# Altium PCB Board.PcbDoc (part 4 of 15)
Units mil, origin at the board's own origin, x right, y up, seen from the top; angles counter-clockwise.
Board outline 6379.64 x 4143.89 mil, 4 copper layers (Top Layer, GND, VCC, Bottom Layer); 316 components, 199 nets, 1077 pads, 596 vias.
Unrouted connection lines stored in the file: 268.
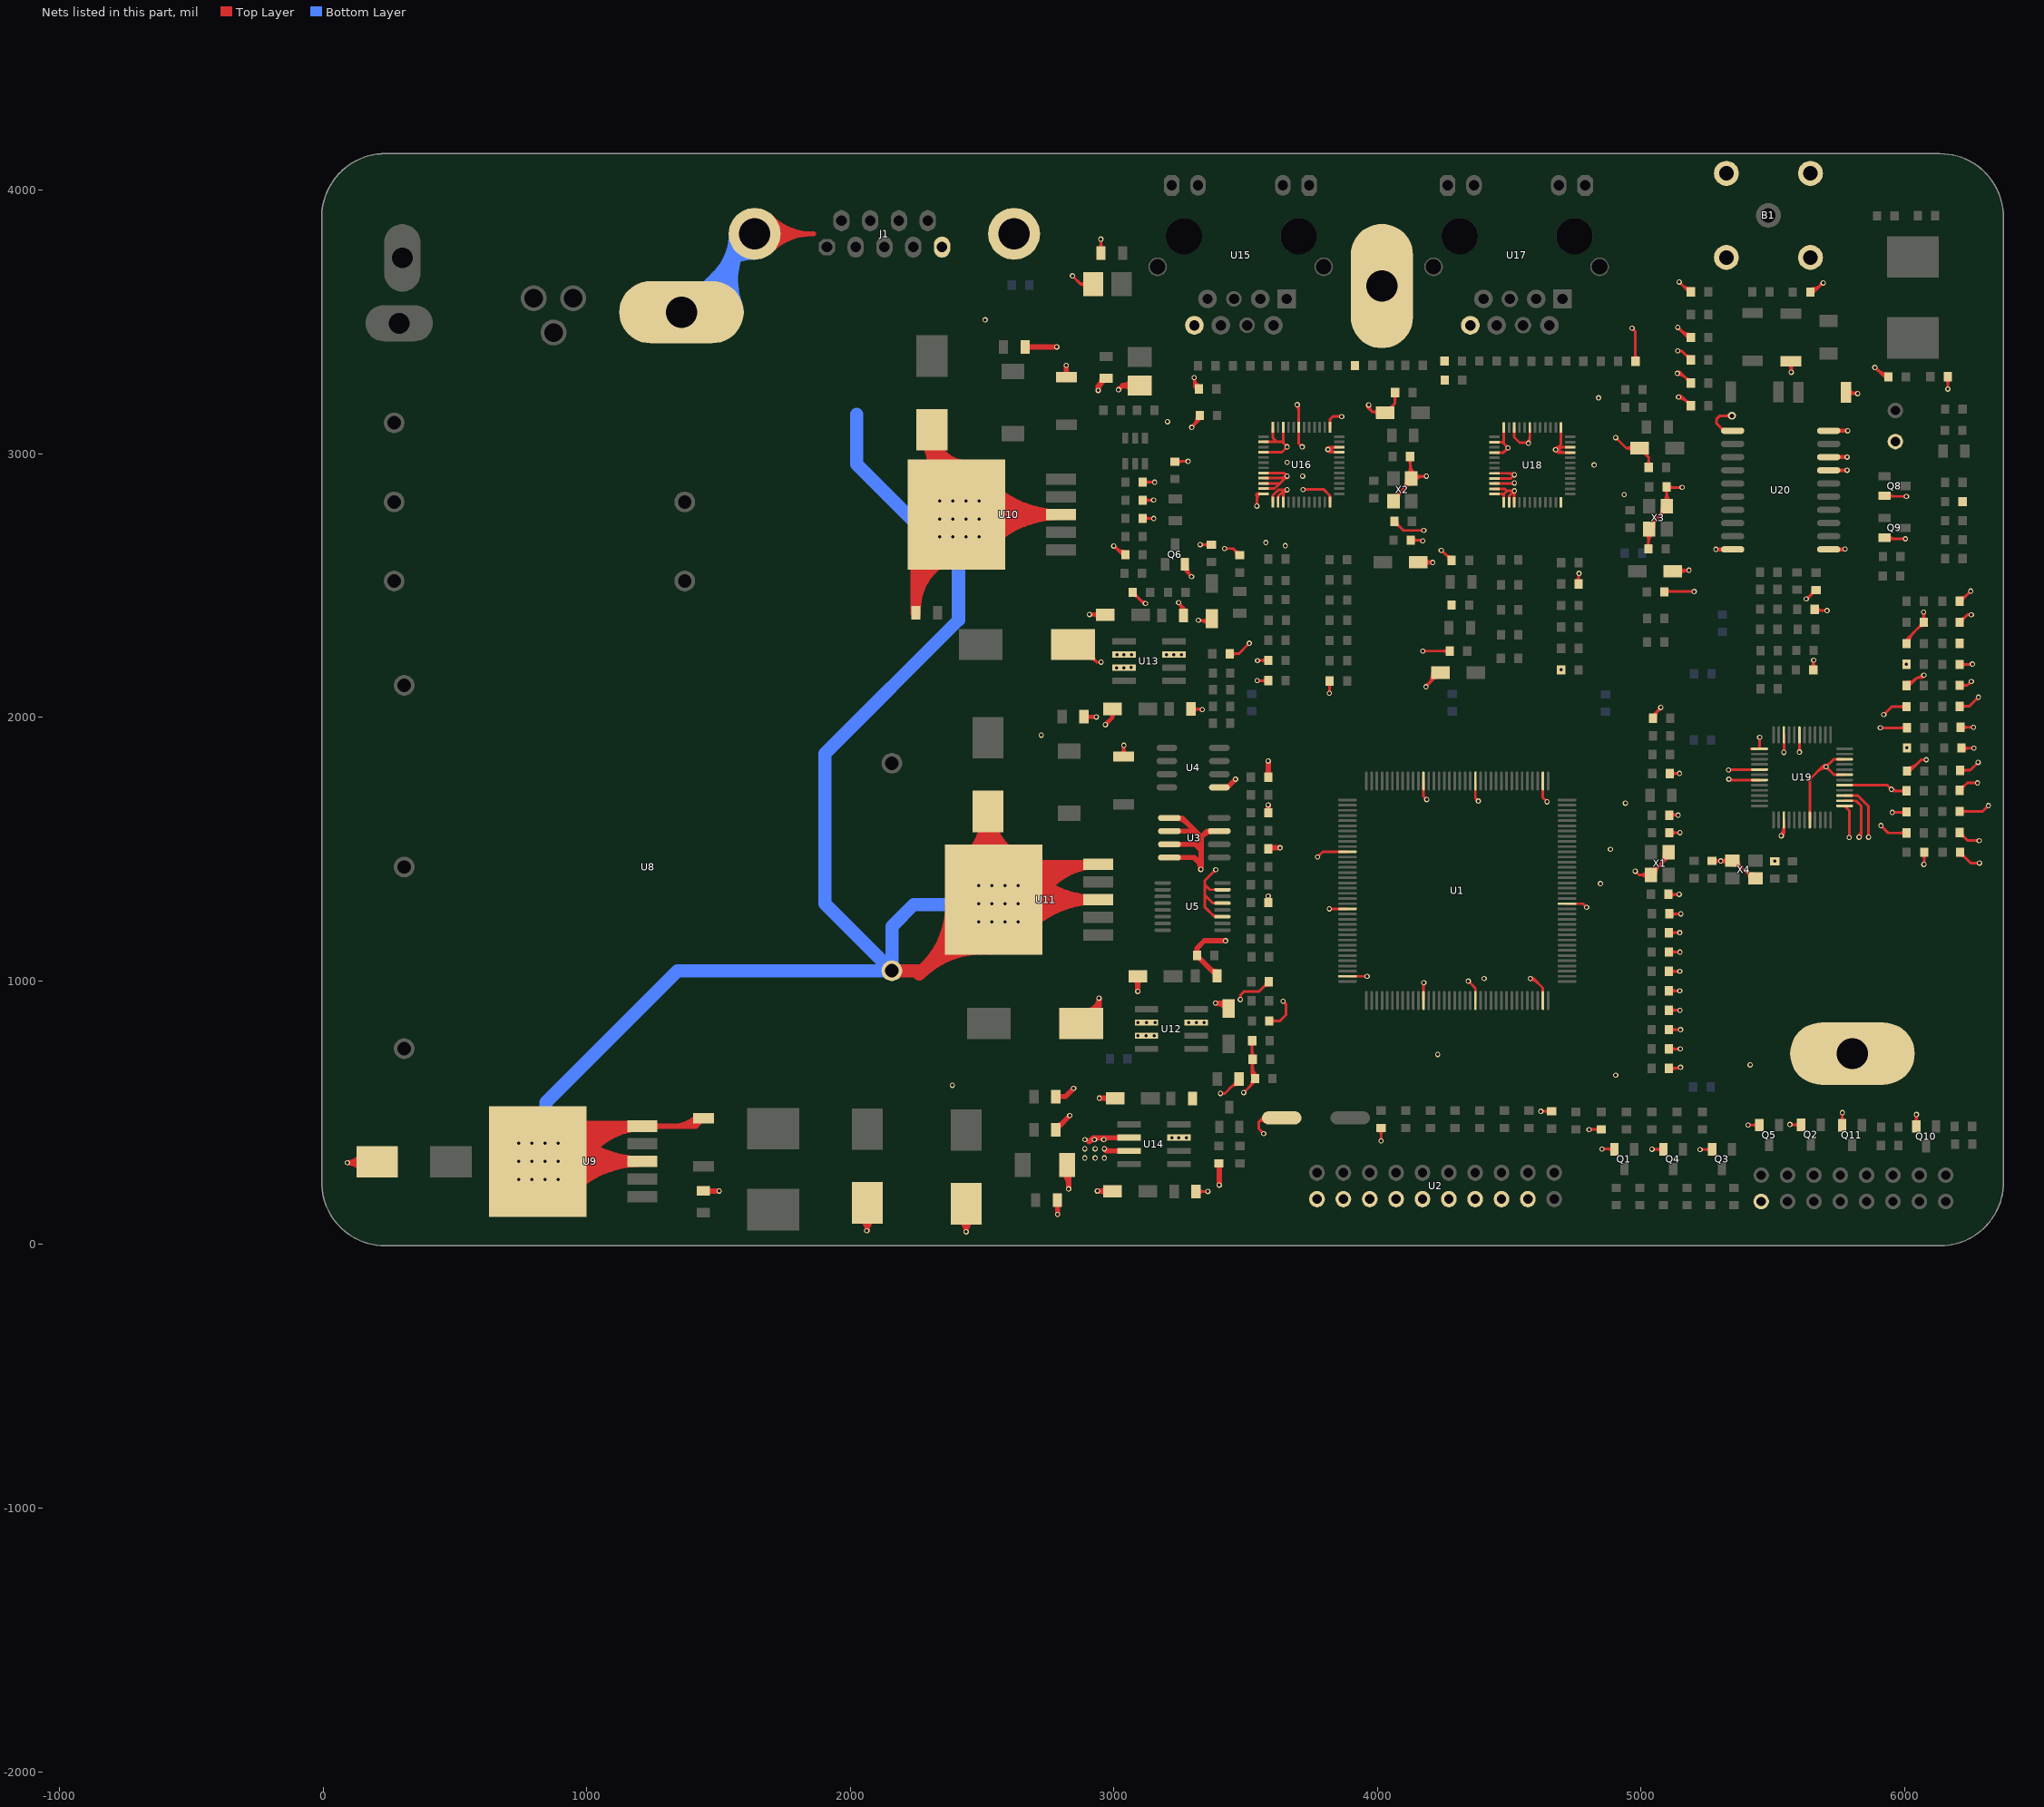
[diagram p5: the nets of this part, all layers, seen from the top]

## Via types
v1: diameter 20, hole 12, Top Layer to Bottom Layer, 590 vias
v2: diameter 30, hole 17, Top Layer to Bottom Layer, 6 vias

## Nets (pads, with @x,y where several pads share a name; then routed paths per layer and width w, separated by ;. In a path a pad name is that pad's centre, name@x,y a point inside that pad or via, vN(x,y) a via of type N, cw(c..) or ccw(c..) an arc to the next point about the centre after c; other vN are vias at no path point) (continued)
GND: (continued)
  Top Layer w10: v1(2842.6,3675.45) 2874.6,3643.45 ; C35.1@2845.04,2276.45 2868.6,2276.45 2935.6,2209.45 ; C35.1@2879.61,2233.78 cw(c2890.95,2189.6) C35.1@2923.2,2221.85 ; C35.1@2901.64,2267.94 ccw(c2935.76,2259.13) C35.1@2910.84,2234.21 ; v1(2907.6,2390.45) 2966.68,2390.45 C52.1@2967.68,2389.45 ; v1@2910.1,2386.12 cw(c2916.53,2374.98) 2919.86,2387.4 ; v1@2910.1,2394.78 ccw(c2918.66,2409.61) 2923.1,2393.07 ; C35.1@2911.32,2265.44 ccw(c2955.44,2254.05) C35.1@2923.22,2221.83 ; v1@2911.93,2392.95 ccw(c2921.7,2398.59) 2918.78,2387.69 ; C35.1@2921,2262.94 ccw(c2975.11,2248.97) 2935.6,2209.45 ; C33.1@2921.33,3643.45 2874.6,3643.45 ; C34.1@2950.6,3761.45 v1(2950.6,3814.45) ; v1(2951.6,2209.45) 2935.6,2209.45 ; v1(2999.6,2650.45) 3032.6,2617.45 C30.1@3043.75,2617.45 ; v1@3003.01,2647.04 ccw(c3043.75,2687.78) C30.1@3043.75,2630.17 ; v1@3004.43,2651.74 ccw(c3020.2,2655.97) 3012.04,2641.83 ; 3020.08,2629.97 ccw(c3043.75,2653.64) C30.1@3043.75,2620.17 ; v1@3033.27,1891.95 cw(c3018.89,1883.65) 3034.93,1879.35 ; D4.1@3036.6,1851.45 3037.6,1852.45 v1(3037.6,1894.45) ; 3039.84,1876.11 cw(c3060.01,1881.51) v1@3041.93,1891.95 ; R39.1@3071.6,2474.45 3113.6,2432.45 v1(3119.6,2432.45) ; R34.1@3109.6,2755.23 3150.82,2755.23 v1(3151.6,2754.45) ; R35.1@3109.6,2823.84 3149.99,2823.84 v1(3150.6,2824.45) ; R31.1@3109.6,2892.45 v1(3154.6,2892.45) ; C70.2@3231.6,2970.45 3232.6,2971.45 v1(3281.6,2971.45) ; v1@3244.3,2430.62 cw(c3241.18,2418.96) 3251.63,2424.99 cw(c3262.09,2431.03) v1@3250.43,2434.15 ; C51.2@3252.58,2399.32 ccw(c3222.37,2412.22) v1(3245.6,2435.45) 3264.28,2416.77 ; 3256.06,2424.99 cw(c3237.03,2405.96) C51.2@3261.78,2395.39 ; C51.2@3264.28,2386.45 3264.28,2416.77 ; 3266.52,2414.53 cw(c3251.69,2399.7) C51.2@3270.97,2391.46 ; Q6.1@3269.4,2581.45 3269.4,2558.65 v1(3294.6,2533.45) cw(c3329.93,2568.79) Q6.1@3280.12,2572.73 ; Q6.1@3270.15,2573.52 ccw(c3301.52,2571.03) 3279.27,2548.78 ; v1@3289.77,2534.74 ccw(c3278.11,2537.87) 3288.56,2543.9 ccw(c3299.02,2549.94) v1@3295.89,2538.28 ; C54.2@3292.28,2032.45 3295.28,2029.45 v1(3335.6,2029.45) ; v1@3294.3,3105.28 ccw(c3290.39,3119.88) 3303.48,3112.32 ; v1(3295.6,3100.45) 3325.6,3130.45 C59.2@3325.6,3145.45 ; v1@3298.04,3102.89 ccw(c3257.44,3143.48) C59.2@3314.85,3143.48 ; v1@3302.1,3285.12 cw(c3296.06,3274.67) 3307.72,3277.79 cw(c3319.38,3280.91) v1@3308.93,3286.95 ; C58.2@3311.28,201.45 v1(3356.6,201.45) ; 3315.11,3119.96 ccw(c3291.58,3143.48) C59.2@3324.85,3143.48 ; 3320.33,2032.1 ccw(c3324.69,2048.35) v1@3333.1,2033.78 ; C64.2@3321,3259.05 cw(c3318.15,3278) 3304.6,3264.45 ; C64.2@3322.6,3246.45 3304.6,3264.45 ; v1@3323.1,2364.12 cw(c3329.13,2353.66) 3332.26,2365.32 cw(c3335.38,2376.98) v1@3324.93,2370.95 ; v1(3327.6,2655.45) C68.1@3369.6,2655.45 ; C66.1@3371.6,2374.53 3365.52,2368.45 v1(3320.6,2368.45) ; v1(3386.6,1422.45) 3345.6,1381.45 3345.6,1364.45 ; v1(3404.6,573.45) 3420.28,573.45 C50.2@3475.28,628.45 ; U5.11@3411.79,1244.06 3380.98,1244.06 3345.6,1279.45 3345.6,1324.45 ; U5.13@3411.79,1295.24 3374.8,1295.24 3345.6,1324.45 ; U5.15@3411.79,1346.43 3363.62,1346.43 3345.6,1364.45 ; v1(3419.6,2640.45) 3452.6,2640.45 C63.2@3477.6,2615.45 ; R9.2@3439.6,2241.45 3473.6,2241.45 v1(3513.6,2281.45) ; v1(3479.6,929.45) 3481.6,931.45 3481.6,948.45 3493.6,960.45 3550.6,960.45 C24.2@3587.6,997.45 ; v1(3492.6,576.45) 3535.6,619.45 C3.1@3535.6,629.45 3524.6,640.45 C1.1@3524.6,773.45 ; v1(3542.6,2801.45) 3542.6,2847.45 ; v1(3543.6,2139.45) C16.1@3585.6,2139.45 ; v1(3544.6,2215.45) 3545.43,2216.28 R42.1@3585.6,2216.28 ; 3556.91,472.76 cw(c3568.54,461.14) K1.1@3579.77,473.14 ; U16.36@3567.6,2848.45 3543.6,2848.45 3542.6,2847.45 ; U16.35@3567.6,2868.13 3610.28,2868.13 3629.97,2887.82 ; U16.34@3567.6,2887.82 3629.97,2887.82 ; U16.33@3567.6,2907.51 3649.66,2907.51 ; U16.32@3567.6,2927.19 3645.86,2927.19 v1(3657.6,2915.45) 3649.66,2907.51 ; U16.28@3567.6,3005.94 3637.09,3005.94 v1(3657.6,3026.45) 3642.7,3041.35 ; U16.26@3567.6,3045.31 3618.6,3045.31 ; v1(3568.6,420.45) 3549.6,439.45 3549.6,465.45 ; K1.1@3572.94,465.84 ccw(c3561.47,453.58) 3549.6,465.45 ; C26.2@3589.6,848.45 3629.6,848.45 3653.6,872.45 3653.6,911.45 v1(3641.6,923.45) ; U16.37@3603.33,2816.72 3603.33,2842.18 3624.6,2863.45 v1(3657.6,2863.45) 3642.7,2848.55 ; U16.24@3603.33,3100.72 3603.33,3060.58 3618.6,3045.31 ; U16.38@3623.02,2816.72 3623.02,2838.87 3642.7,2858.55 U16.39@3642.7,2816.72 ; K1.1@3636.6,480.45 3564.6,480.45 3549.6,465.45 ; v1@3641.6,918.45 cw(c3641.6,906.38) 3650.13,914.91 cw(c3658.67,923.45) v1@3646.6,923.45 ; U16.22@3642.7,3100.72 3642.7,3041.35 ; v1@3657.6,2920.45 cw(c3657.6,2932.52) 3649.06,2923.98 cw(c3640.53,2915.45) v1@3652.6,2915.45 ; v1(3695.6,3186.45) 3701.76,3180.29 U16.19@3701.76,3100.72 3701.76,3039.29 v1(3714.6,3026.45) ; v1(3717.6,2864.45) 3796.6,2864.45 3819.87,2841.18 U16.48@3819.87,2816.72 ; v1(3772.6,1470.45) 3792.24,1490.09 U1.83@3886.26,1490.09 ; v1@3811.6,3011.45 cw(c3811.6,2999.38) 3820.13,3007.91 cw(c3828.67,3016.45) 3816.6,3016.45 cw(c3828.67,3016.45) 3820.13,3024.98 cw(c3811.6,3033.52) v1@3811.6,3021.45 ; v1(3817.6,1273.45) 3817.7,1273.55 U1.94@3886.26,1273.55 ; v1(3817.6,2091.45) 3817.6,2137.3 R57.1@3818.75,2138.45 ; U16.13@3819.87,3100.72 3819.87,3130.72 3830.6,3141.45 v1(3864.6,3141.45) ; U16.9@3855.6,3005.94 3822.11,3005.94 v1(3811.6,3016.45) 3820.77,3025.62 U16.10@3855.6,3025.62 ; U1.107@3886.26,1017.65 3960.4,1017.65 v1(3960.6,1017.45) ; v1@3961.67,3186.27 ccw(c3976.47,3183.8) 3965.86,3173.19 ; v1(3966.6,3185.45) 3966.6,3172.45 3979.6,3159.45 ; v1@3971.53,3184.63 ccw(c4000.02,3179.88) 3979.6,3159.45 ; v1(4013.6,393.45) C18.1@4013.6,442.45 ; X2.4@4060.67,2820.45 4060.67,2830.52 4127.6,2897.45 X2.2@4127.6,2907.06 ; C65.1@4064.6,2743.45 4098.6,2709.45 v1(4175.6,2709.45) ; C61.1@4066.6,3232.45 4066.6,3192.37 ; C71.1@4123.6,2989.45 4123.6,2911.06 X2.2@4127.6,2907.06 ; C69.1@4126.6,2672.45 4168.6,2672.45 v1(4171.6,2669.45) ; C67.1@4154.52,2588.45 v1@4208.6,2588.45 ; v1(4171.6,2251.45) C80.1@4274.6,2251.45 ; 4172.39,2912.53 cw(c4176.05,2898.9) v1@4183.1,2911.12 ; U1.120@4174.65,926.11 4174.65,992.5 v1(4175.6,993.45) ; U1.61@4174.65,1758.79 4174.65,1700.4 v1(4186.6,1688.45) ; 4175.17,2913.27 ccw(c4172.58,2922.97) v1@4181.27,2917.95 ; v1@4181.6,1688.45 ccw(c4169.53,1688.45) 4178.06,1696.98 ccw(c4186.6,1705.52) v1@4186.6,1693.45 ; v1@4182.3,2121.28 ccw(c4177.69,2138.49) 4193.12,2129.58 ; v1(4183.6,2116.45) 4236.6,2169.45 C78.1@4238.68,2169.45 ; v1(4185.6,2915.45) 4135.98,2915.45 X2.2@4127.6,2907.06 ; v1@4188.19,2121.05 ccw(c4139.79,2169.45) C78.1@4208.24,2169.45 ; 4194.76,2584.74 cw(c4198.97,2569.04) v1@4207.1,2583.12 ; 4196.47,2591.7 cw(c4192.73,2577.71) v1@4205.27,2584.95 ; 4199.77,2590.81 ccw(c4202.27,2600.14) v1@4207.1,2591.78 ; 4205.27,2138.12 ccw(c4173.93,2169.45) C78.1@4218.24,2169.45 ; v1(4209.6,2587.45) v1@4208.6,2588.45 ; v1(4241.6,2633.45) 4243.6,2633.45 C84.2@4281.6,2595.45 ; v1(4344.6,999.45) 4371.5,972.55 U1.130@4371.5,926.11 ; U1.51@4371.5,1758.79 4371.5,1693.55 v1(4382.6,1682.45) ; v1@4377.6,1682.45 ccw(c4365.53,1682.45) 4374.06,1690.98 ccw(c4382.6,1699.52) v1@4382.6,1687.45 ; U18.36@4443.6,2847.45 4479.06,2847.45 4479.33,2847.18 ; U18.35@4443.6,2867.13 4483.91,2867.13 4491.6,2859.45 ; U18.34@4443.6,2886.82 4516.97,2886.82 v1(4519.6,2889.45) ; U18.33@4443.6,2906.51 4505.66,2906.51 v1(4519.6,2920.45) 4513.86,2926.19 U18.32@4443.6,2926.19 ; U18.28@4443.6,3004.94 4478.09,3004.94 v1(4495.6,3022.45) 4479.33,3038.72 ; U18.26@4443.6,3044.31 4473.74,3044.31 4479.33,3038.72 ; U18.37@4479.33,2815.72 4479.33,2847.18 ; U18.24@4479.33,3099.72 4479.33,3038.72 ; U18.38@4499.02,2815.72 4499.02,2838.87 v1@4518.7,2858.55 ; U18.39@4518.7,2815.72 v1@4518.7,2858.55 ; U18.22@4518.7,3099.72 4518.7,3063.35 4539.6,3042.45 4570.6,3042.45 v1(4572.6,3040.45) 4577.76,3045.61 U18.19@4577.76,3099.72 ; v1(4579.6,1009.45) 4591.6,1009.45 ; v1@4583.15,1005.93 cw(c4591.6,997.55) 4591.6,1009.45 ; v1@4583.15,1012.97 ccw(c4591.6,1021.35) 4591.6,1009.45 ; v1(4619.6,505.45) C15.1@4660.6,505.45 ; U1.143@4627.4,926.11 4627.4,973.65 4591.6,1009.45 ; U1.38@4627.4,1758.79 4627.4,1695.65 v1(4643.6,1679.45) ; v1@4675.6,3010.45 cw(c4675.6,2998.38) 4684.13,3006.91 cw(c4692.67,3015.45) v1@4680.6,3015.45 ; U18.13@4695.87,3099.72 4695.87,3035.72 4684.77,3024.62 ; U1.16@4718.94,1293.24 4779.81,1293.24 v1(4793.6,1279.45) ; U18.9@4731.6,3004.94 4686.11,3004.94 v1(4675.6,3015.45) 4684.77,3024.62 ; U18.10@4731.6,3024.62 4684.77,3024.62 ; R63.1@4762.45,2506.61 4762.45,2544.3 v1(4764.6,2546.45) ; v1(4802.6,436.45) 4847.6,436.45 R1.1@4848.6,437.45 ; v1(4851.6,362.45) 4897.8,362.45 Q1.1@4898.8,361.45 ; v1(4903.6,3061.45) 4943.6,3021.45 ; v1(4965.6,3476.45) 4978.6,3463.45 C75.2@4978.6,3351.45 ; v1(4977.6,1416.45) 4991.6,1402.45 X1.4@5037.67,1402.45 5037.67,1405.09 5104.6,1472.01 X1.2@5104.6,1489.06 ; C73.1@5013.5,3018.27 ccw(c5031.63,3011.08) 5017.84,2997.29 ; C73.1@5022.8,3014.58 ccw(c5047.04,3004.97) 5028.6,2986.53 ; C77.1@5027.6,2639.45 5027.6,2711.38 X3.4@5030.67,2714.45 5030.67,2724.52 5060.98,2754.83 ; C74.1@5028.6,2948.45 5028.6,2986.53 ; v1(5041.6,361.45) Q4.1@5084.3,361.45 ; R104.2@5044.6,1996.45 5044.6,2007.45 v1(5074.6,2037.45) ; 5061.92,2755.95 ccw(c5020.75,2797.13) X3.2@5078.98,2797.13 ; 5064.57,2023.93 cw(c5080.72,2014.6) v1@5075.89,2032.62 ; 5078.99,2773.03 ccw(c5054.89,2797.13) X3.2@5088.98,2797.13 ; C81.1@5087.6,2476.45 5088.6,2477.45 v1(5201.6,2477.45) ; C83.1@5096.6,2874.45 C83.1@5097.6,2873.45 ; C14.1@5100.6,1629.45 v1(5140.6,1629.45) ; R2.1@5102.6,1788.45 5103.6,1787.45 v1(5145.6,1787.45) ; C17.1@5103.6,1329.45 5104.6,1328.45 v1(5144.6,1328.45) ; C4.1@5105.45,668.45 5145.6,668.45 v1(5149.6,672.45) ; C5.1@5105.45,742.02 5148.17,742.02 v1(5148.6,742.45) ; C6.1@5105.45,815.59 5149.46,815.59 v1(5149.6,815.45) ; C7.1@5105.45,889.16 5146.89,889.16 v1(5147.6,888.45) ; C8.1@5105.45,962.73 5146.32,962.73 v1(5146.6,962.45) ; C12.1@5105.45,1036.3 5146.45,1036.3 v1(5146.6,1036.45) ; C9.1@5105.45,1109.87 5147.18,1109.87 v1(5147.6,1109.45) ; C10.1@5105.45,1183.44 v1(5146.6,1183.45) ; C11.1@5106.6,1255.45 5107.6,1254.45 v1(5150.6,1254.45) ; C19.1@5107.6,1562.45 v1(5147.6,1562.45) ; C79.1@5119.52,2554.45 5123.52,2558.45 v1(5181.6,2558.45) ; 5125.11,1632.07 ccw(c5129.54,1648.61) v1@5138.1,1633.78 ; v1(5137.6,3305.45) 5152.15,3305.45 C106.1@5188.75,3268.85 ; v1(5138.6,3390.45) 5153.96,3390.45 C103.2@5188.6,3355.81 ; v1(5138.6,3479.45) 5176.4,3441.65 R91.1@5188.75,3441.65 ; v1(5141.6,3215.45) 5155.75,3215.45 R93.1@5188.75,3182.45 ; v1@5143.43,3480.74 ccw(c5163.97,3486.25) 5153.34,3467.83 ; v1@5143.56,3478.83 ccw(c5151.11,3477.9) 5147.3,3471.31 ; v1(5144.6,3651.45) 5181.6,3614.45 R92.1@5188.75,3614.45 ; v1(5155.6,2872.45) 5098.6,2872.45 C83.1@5097.6,2873.45 ; v1@5177.27,2560.95 cw(c5166.82,2566.98) 5169.94,2555.33 cw(c5173.06,2543.66) v1@5179.1,2554.12 ; v1(5223.6,360.45) 5268.8,360.45 Q3.1@5269.8,361.45 ; C123.2@5268.6,1455.45 v1(5302.6,1455.45) ; 5286.86,1452.86 cw(c5291.38,1436.01) v1@5300.1,1451.12 ; 5286.86,1458.04 ccw(c5291.38,1474.89) v1@5300.1,1459.78 ; v1@5305.1,1451.12 cw(c5311.13,1440.66) 5314.26,1452.32 cw(c5317.38,1463.98) v1@5306.93,1457.95 ; v1@5305.1,1459.78 ccw(c5311.13,1470.23) 5314.26,1458.57 ccw(c5317.38,1446.91) v1@5306.93,1452.95 ; v1(5331.6,1800.45) 5333.13,1801.98 U19.17@5449.18,1801.98 ; v1(5332.6,1765.45) 5335.44,1762.61 U19.19@5449.18,1762.61 ; v2(5344.6,3144.45) 5298.6,3144.45 5286.6,3132.45 5286.6,3114.45 5313.6,3087.45 U20.1@5347.43,3087.45 ; v1(5405.6,453.45) Q5.1@5448.8,453.45 ; U19.13@5417.33,1880.72 U19.13@5449.18,1880.72 5449.18,1924.03 v1(5449.6,1924.45) ; X4.2@5433.21,1389.45 5422.6,1389.45 5356.6,1455.45 v1(5302.6,1455.45) ; v1(5507.6,1454.45) C122.2@5507.6,1464.45 ; v1(5531.6,1550.45) 5541.7,1560.55 U19.27@5541.7,1611.03 ; v1@5531.6,1555.45 ccw(c5531.6,1567.52) 5540.13,1558.98 ccw(c5548.67,1550.45) v1@5536.6,1550.45 ; v1(5541.6,1867.45) 5541.7,1867.55 U19.10@5541.7,1933.87 ; v1(5564.6,455.45) 5565.6,454.45 Q2.1@5606.8,454.45 ; v1@5565.27,3311.95 ccw(c5551.65,3319.81) 5566.84,3323.88 ; D8.1@5568.6,3351.45 5569.6,3350.45 v1(5569.6,3309.45) ; 5571.93,3327.12 ccw(c5591.24,3321.94) v1@5573.93,3311.95 ; v1(5600.6,1868.45) 5600.76,1868.61 U19.7@5600.76,1933.87 ; v1(5626.6,2449.45) 5629.6,2449.45 C125.1@5663.6,2483.45 ; U19.32@5640.13,1611.03 5640.13,1765.37 5687.2,1812.45 v1(5701.6,1812.45) ; C124.1@5641.6,3613.45 5655.6,3613.45 v1(5690.6,3648.45) ; v1@5650.27,2214.95 cw(c5634.71,2205.97) 5652.06,2201.32 ; C95.1@5653.6,2180.45 5654.6,2181.45 v1(5654.6,2217.45) ; C97.2@5658.6,2409.45 5662.6,2405.45 v1(5705.6,2405.45) ; 5678.17,3639.84 ccw(c5670.01,3653.96) v1@5685.77,3649.74 ; Q11.1@5762.8,452.45 5763.6,453.25 v1(5763.6,500.45) ; U19.37@5772.02,1664.18 5789.6,1646.6 v1(5789.6,1544.45) ; U19.38@5772.02,1683.87 5815.18,1683.87 5834.6,1664.45 5834.6,1553.45 ; U19.39@5772.02,1703.55 5822.04,1703.55 5862.6,1662.99 v1(5862.6,1545.45) ; U19.41@5772.02,1742.92 5934.13,1742.92 v1(5949.6,1727.45) 5955.88,1721.17 C117.1@6006.6,1721.17 ; U19.43@5772.02,1782.29 5731.76,1782.29 v1(5701.6,1812.45) ; U19.46@5772.02,1841.35 5730.5,1841.35 v1(5701.6,1812.45) ; D7.1@5777.6,3233.45 5782.6,3228.45 v1(5821.6,3228.45) ; v1@5817.27,3225.95 ccw(c5806.82,3219.91) 5809.94,3231.57 ccw(c5813.06,3243.23) v1@5819.1,3232.78 ; v1(5826.6,1545.45) 5834.6,1553.45 ; v1@5826.83,1550.44 ccw(c5827.32,1560.73) 5834.6,1553.45 ; v1@5831.59,1545.68 cw(c5841.88,1546.17) 5834.6,1553.45 ; v1(5886.6,3327.45) 5922.6,3291.45 ; v1@5889.58,3324.47 ccw(c5938.6,3373.49) C120.2@5938.6,3304.17 ; v1@5891.43,3328.74 ccw(c5906.68,3332.83) 5898.79,3319.15 ; 5906.65,3307.4 ccw(c5938.6,3339.35) C120.2@5938.6,3294.17 ; v1(5907.6,1960.45) C98.1@6008.6,1960.45 ; v1(5909.6,1589.45) 5937.6,1561.45 C101.1@6006.6,1561.45 ; v1(5920.6,2010.45) 5950.75,2040.6 C92.1@6006.6,2040.6 ; Q9.1@5923.6,2681.65 5927.8,2677.45 v1(6002.6,2677.45) ; Q8.1@5923.6,2840.65 5925.8,2838.45 v1(6006.6,2838.45) ; C120.2@5938.6,3291.45 5922.6,3291.45 ; v1(5952.6,1639.45) 6004.74,1639.45 C113.1@6006.6,1641.31 ; C91.1@6006.6,2120.46 6017.06,2120.46 6047.78,2151.17 ; C109.1@6006.6,2280.17 6006.6,2294.74 C86.1@6072.45,2360.59 6071.6,2361.44 v1(6071.6,2399.45) ; C116.1@6008.6,1796.45 6019.6,1796.45 6062.6,1839.45 v1(6081.6,1839.45) ; v1@6040.27,490.95 cw(c6022.74,480.83) 6042.29,475.59 ; Q10.1@6043.8,448.45 6044.6,449.25 v1(6044.6,493.45) ; v1(6072.6,1442.45) 6073.6,1443.45 R108.2@6073.6,1488.45 ; v1(6072.6,2160.45) 6063.32,2151.17 6047.78,2151.17 ; 6073.94,2381.83 cw(c6093.19,2386.99) v1@6075.93,2396.95 ; v1(6163.6,3245.45) R98.1@6163.6,3292.45 ; C100.1@6208.6,1563.45 6239.6,1532.45 v1(6282.6,1532.45) ; C112.1@6208.6,1643.18 6295.33,1643.18 v1(6317.6,1665.45) ; C115.1@6208.6,1722.9 6237.14,1751.45 v1(6276.6,1751.45) ; C93.1@6208.6,2041.81 6244.96,2041.81 v1(6279.6,2076.45) ; C90.1@6208.6,2121.54 6237.69,2121.54 v1(6252.6,2136.45) ; C105.1@6208.6,2200.45 6254.6,2200.45 v1(6256.6,2202.45) ; C102.1@6208.6,2360.72 6237.33,2389.45 v1(6252.6,2389.45) ; R90.1@6208.6,2440.45 6211.6,2440.45 v1(6250.6,2479.45) ; C89.1@6209.6,1488.45 6250.6,1447.45 v1(6283.6,1447.45) ; C114.1@6210.6,1799.45 6248.6,1799.45 v1(6278.6,1829.45) ; C99.1@6211.6,1962.45 v1(6260.6,1962.45) ; C110.1@6215.6,1884.45 6216.6,1883.45 v1(6262.6,1883.45) ; v1@2842.6,3670.45 cw(c2842.6,3658.38) 2851.13,3666.91 ; v1@2842.6,3670.45 cw(c2842.6,3658.38) 2851.13,3666.91 ; v1@2842.6,3670.45 cw(c2842.6,3658.38) 2851.13,3666.91 ; v1@2847.6,3675.45 ccw(c2859.67,3675.45) 2851.13,3666.91 ; v1@2847.6,3675.45 ccw(c2859.67,3675.45) 2851.13,3666.91 ; v1@2847.6,3675.45 ccw(c2859.67,3675.45) 2851.13,3666.91 ; 2874.6,3643.45 cw(c2874.6,3627.44) C33.1@2889.75,3632.63 ; 2874.6,3643.45 ccw(c2874.6,3659.46) C33.1@2889.75,3654.27 ; 2874.6,3643.45 cw(c2874.6,3627.44) C33.1@2889.75,3632.63 ; 2874.6,3643.45 ccw(c2874.6,3659.46) C33.1@2889.75,3654.27 ; 2874.6,3643.45 ccw(c2874.6,3659.46) C33.1@2889.75,3654.27 ; 2874.6,3643.45 cw(c2874.6,3627.44) C33.1@2889.75,3632.63 ; C35.1@2877.14,2243.47 cw(c2885.9,2209.39) C35.1@2910.78,2234.27 ; C35.1@2877.13,2243.46 cw(c2885.88,2209.33) C35.1@2910.8,2234.25 ; C35.1@2877.14,2243.47 cw(c2885.9,2209.39) C35.1@2910.78,2234.27 ; C35.1@2882.12,2224.1 cw(c2896.04,2169.95) 2935.56,2209.48 ; C35.1@2882.1,2224.09 cw(c2896.01,2169.87) 2935.6,2209.45 ; C35.1@2882.12,2224.1 cw(c2896.04,2169.95) 2935.56,2209.48 ; v1@2908.49,2390.45 cw(c2908.49,2342.08) C52.1@2942.7,2376.28 ; v1@2908.49,2390.45 cw(c2908.49,2342.08) C52.1@2942.7,2376.28 ; v1@2908.49,2390.45 cw(c2908.49,2342.08) C52.1@2942.7,2376.28 ; C35.1@2910.82,2234.23 cw(c2935.71,2259.11) 2901.63,2267.92 ccw(c2935.71,2259.11) C35.1@2910.82,2234.23 ; v1@2911.13,2386.91 cw(c2919.67,2378.38) 2919.67,2390.45 ; v1@2911.13,2386.91 cw(c2919.67,2378.38) 2919.67,2390.45 ; v1@2911.13,2386.91 cw(c2919.67,2378.38) 2919.67,2390.45 ; v1@2911.13,2393.98 ccw(c2919.67,2402.52) 2919.67,2390.45 ; v1@2911.13,2393.98 ccw(c2919.67,2402.52) 2919.67,2390.45 ; v1@2911.13,2393.98 ccw(c2919.67,2402.52) 2919.67,2390.45 ; v1@2913.32,2390.45 ccw(c2913.32,2431.99) C52.1@2942.7,2402.62 ; v1@2913.32,2390.45 ccw(c2913.32,2431.99) C52.1@2942.7,2402.62 ; v1@2913.32,2390.45 ccw(c2913.32,2431.99) C52.1@2942.7,2402.62 ; C35.1@2923.19,2221.85 cw(c2955.37,2254.03) 2911.31,2265.42 ccw(c2955.37,2254.03) C35.1@2923.19,2221.85 ; 2935.56,2209.48 cw(c2975.03,2248.95) 2921,2262.92 ccw(c2975.03,2248.95) 2935.56,2209.48 ; 2939.53,2209.45 cw(c2939.53,2197.38) v1@2948.06,2205.91 ; 2939.53,2209.45 ccw(c2939.53,2221.52) v1@2948.06,2212.98 ; 2939.53,2209.45 cw(c2939.53,2197.38) v1@2948.06,2205.91 ; 2939.53,2209.45 ccw(c2939.53,2221.52) v1@2948.06,2212.98 ; 2939.53,2209.45 ccw(c2939.53,2221.52) v1@2948.06,2212.98 ; 2939.53,2209.45 cw(c2939.53,2197.38) v1@2948.06,2205.91 ; C34.1@2941.61,3778.31 ccw(c2919.9,3800.02) 2950.6,3800.02 ; C34.1@2941.61,3778.31 ccw(c2919.9,3800.02) 2950.6,3800.02 ; C34.1@2941.61,3778.31 ccw(c2919.9,3800.02) 2950.6,3800.02 ; v1@2947.06,3810.91 cw(c2938.53,3802.38) 2950.6,3802.38 ; v1@2947.06,3810.91 cw(c2938.53,3802.38) 2950.6,3802.38 ; v1@2947.06,3810.91 cw(c2938.53,3802.38) 2950.6,3802.38 ; 2950.6,3800.02 ccw(c2981.3,3800.02) C34.1@2959.59,3778.31 ; 2950.6,3800.02 ccw(c2981.3,3800.02) C34.1@2959.59,3778.31 ; 2950.6,3800.02 ccw(c2981.3,3800.02) C34.1@2959.59,3778.31 ; 2950.6,3802.38 cw(c2962.67,3802.38) v1@2954.13,3810.91 ; 2950.6,3802.38 cw(c2962.67,3802.38) v1@2954.13,3810.91 ; 2950.6,3802.38 cw(c2962.67,3802.38) v1@2954.13,3810.91 ; v1@2999.6,2645.45 cw(c2999.6,2633.38) 3008.13,2641.91 ; v1@2999.6,2645.45 cw(c2999.6,2633.38) 3008.13,2641.91 ; v1@2999.6,2645.45 cw(c2999.6,2633.38) 3008.13,2641.91 ; v1@3004.6,2650.45 ccw(c3016.67,2650.45) 3008.13,2641.91 ; v1@3004.6,2650.45 ccw(c3016.67,2650.45) 3008.13,2641.91 ; v1@3004.6,2650.45 ccw(c3016.67,2650.45) 3008.13,2641.91 ; D4.1@3026.21,1861.83 ccw(c2998.73,1889.32) v1@3037.6,1889.32 ; D4.1@3026.21,1861.83 ccw(c2998.73,1889.32) v1@3037.6,1889.32 ; D4.1@3026.21,1861.83 ccw(c2998.73,1889.32) v1@3037.6,1889.32 ; v1@3034.06,1890.91 cw(c3025.53,1882.38) 3037.6,1882.38 ; v1@3034.06,1890.91 cw(c3025.53,1882.38) 3037.6,1882.38 ; v1@3034.06,1890.91 cw(c3025.53,1882.38) 3037.6,1882.38 ; 3037.6,1882.38 cw(c3049.67,1882.38) v1@3041.13,1890.91 ; 3037.6,1882.38 cw(c3049.67,1882.38) v1@3041.13,1890.91 ; 3037.6,1882.38 cw(c3049.67,1882.38) v1@3041.13,1890.91 ; v1@3037.6,1884.49 ccw(c3069.64,1884.49) D4.1@3046.98,1861.83 ; v1@3037.6,1884.49 ccw(c3069.64,1884.49) D4.1@3046.98,1861.83 ; v1@3037.6,1884.49 ccw(c3069.64,1884.49) D4.1@3046.98,1861.83 ; R39.1@3071.6,2461.73 cw(c3071.6,2431.03) 3093.31,2452.74 ; R39.1@3071.6,2461.73 cw(c3071.6,2431.03) 3093.31,2452.74 ; R39.1@3071.6,2461.73 cw(c3071.6,2431.03) 3093.31,2452.74 ; R39.1@3082.35,2472.48 ccw(c3103.54,2472.48) 3088.55,2457.49 ; R39.1@3082.35,2472.48 ccw(c3103.54,2472.48) 3088.55,2457.49 ; R39.1@3082.35,2472.48 ccw(c3103.54,2472.48) 3088.55,2457.49 ; 3100.82,2445.23 ccw(c3119.6,2464.01) v1@3119.6,2437.45 ; 3100.82,2445.23 ccw(c3119.6,2464.01) v1@3119.6,2437.45 ; 3100.82,2445.23 ccw(c3119.6,2464.01) v1@3119.6,2437.45 ; R34.1@3117.2,2747.63 cw(c3135.55,2729.28) 3135.55,2755.23 ; R34.1@3117.2,2747.63 cw(c3135.55,2729.28) 3135.55,2755.23 ; R34.1@3117.2,2747.63